# KiCad board AurisenseV2-rounded.kicad_pcb
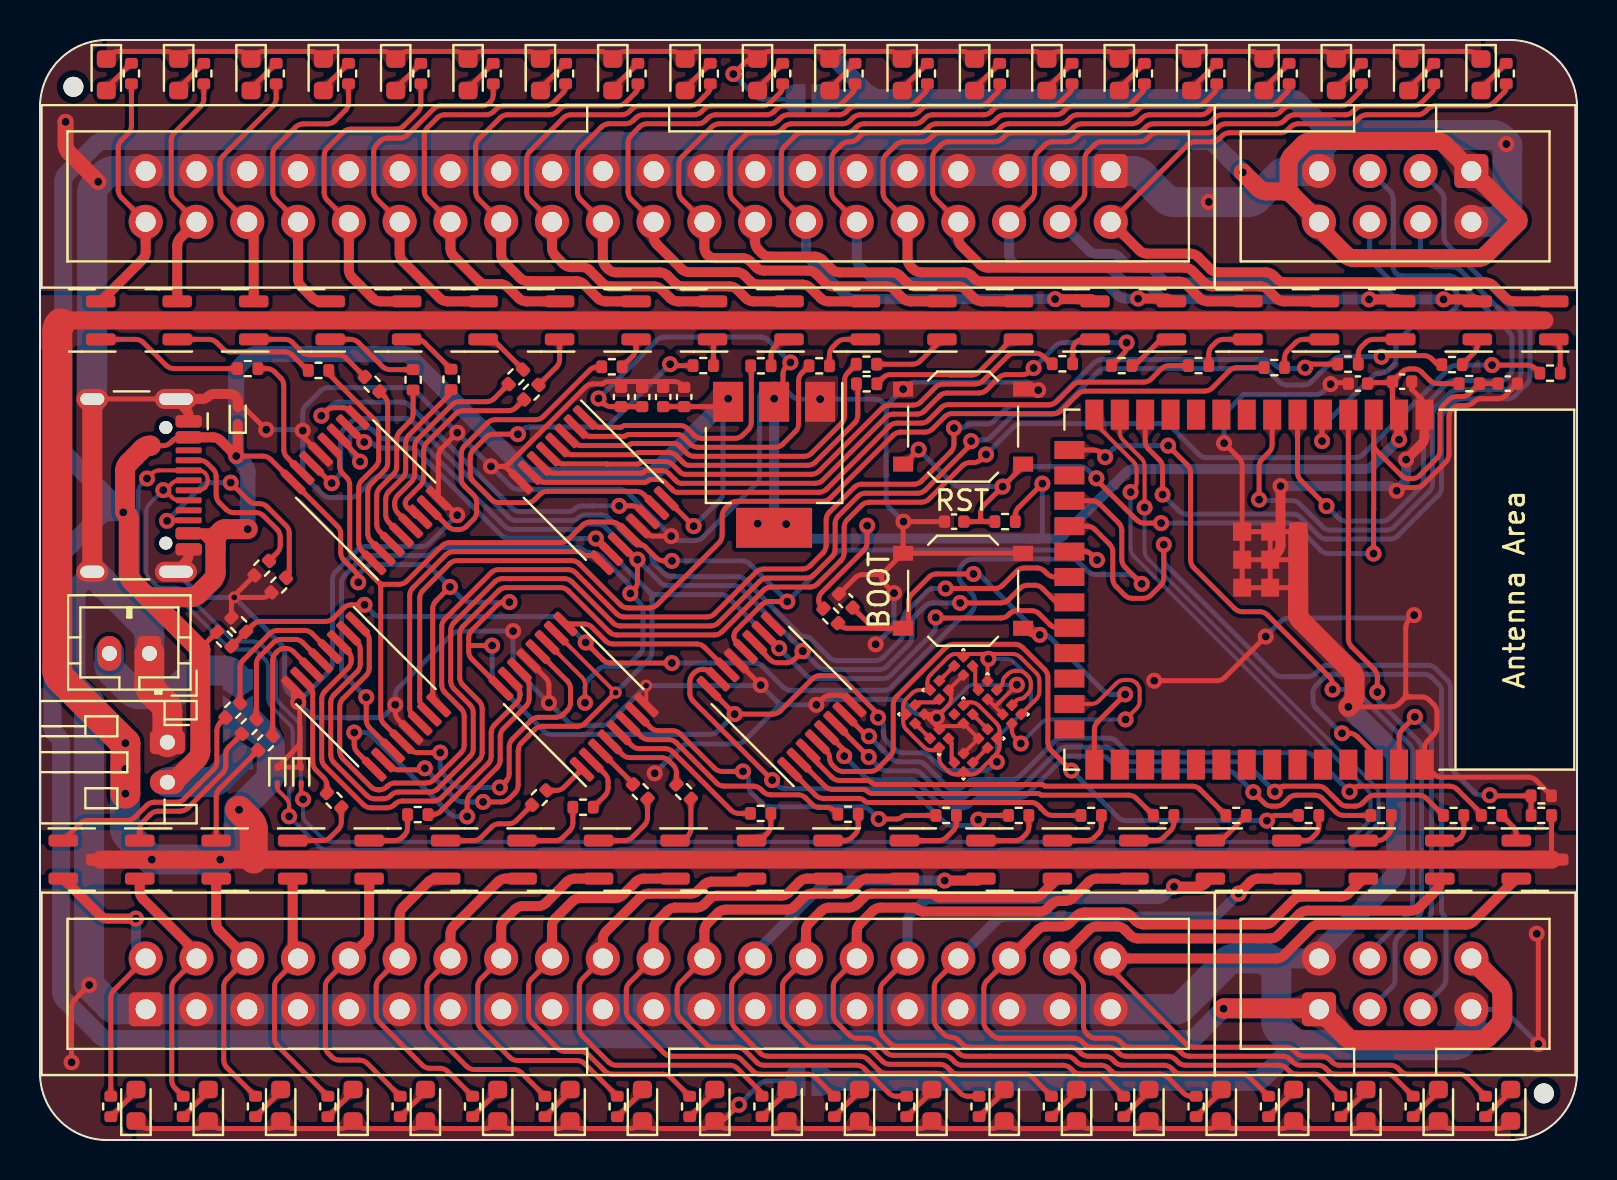
[diagram p0: board, top side]
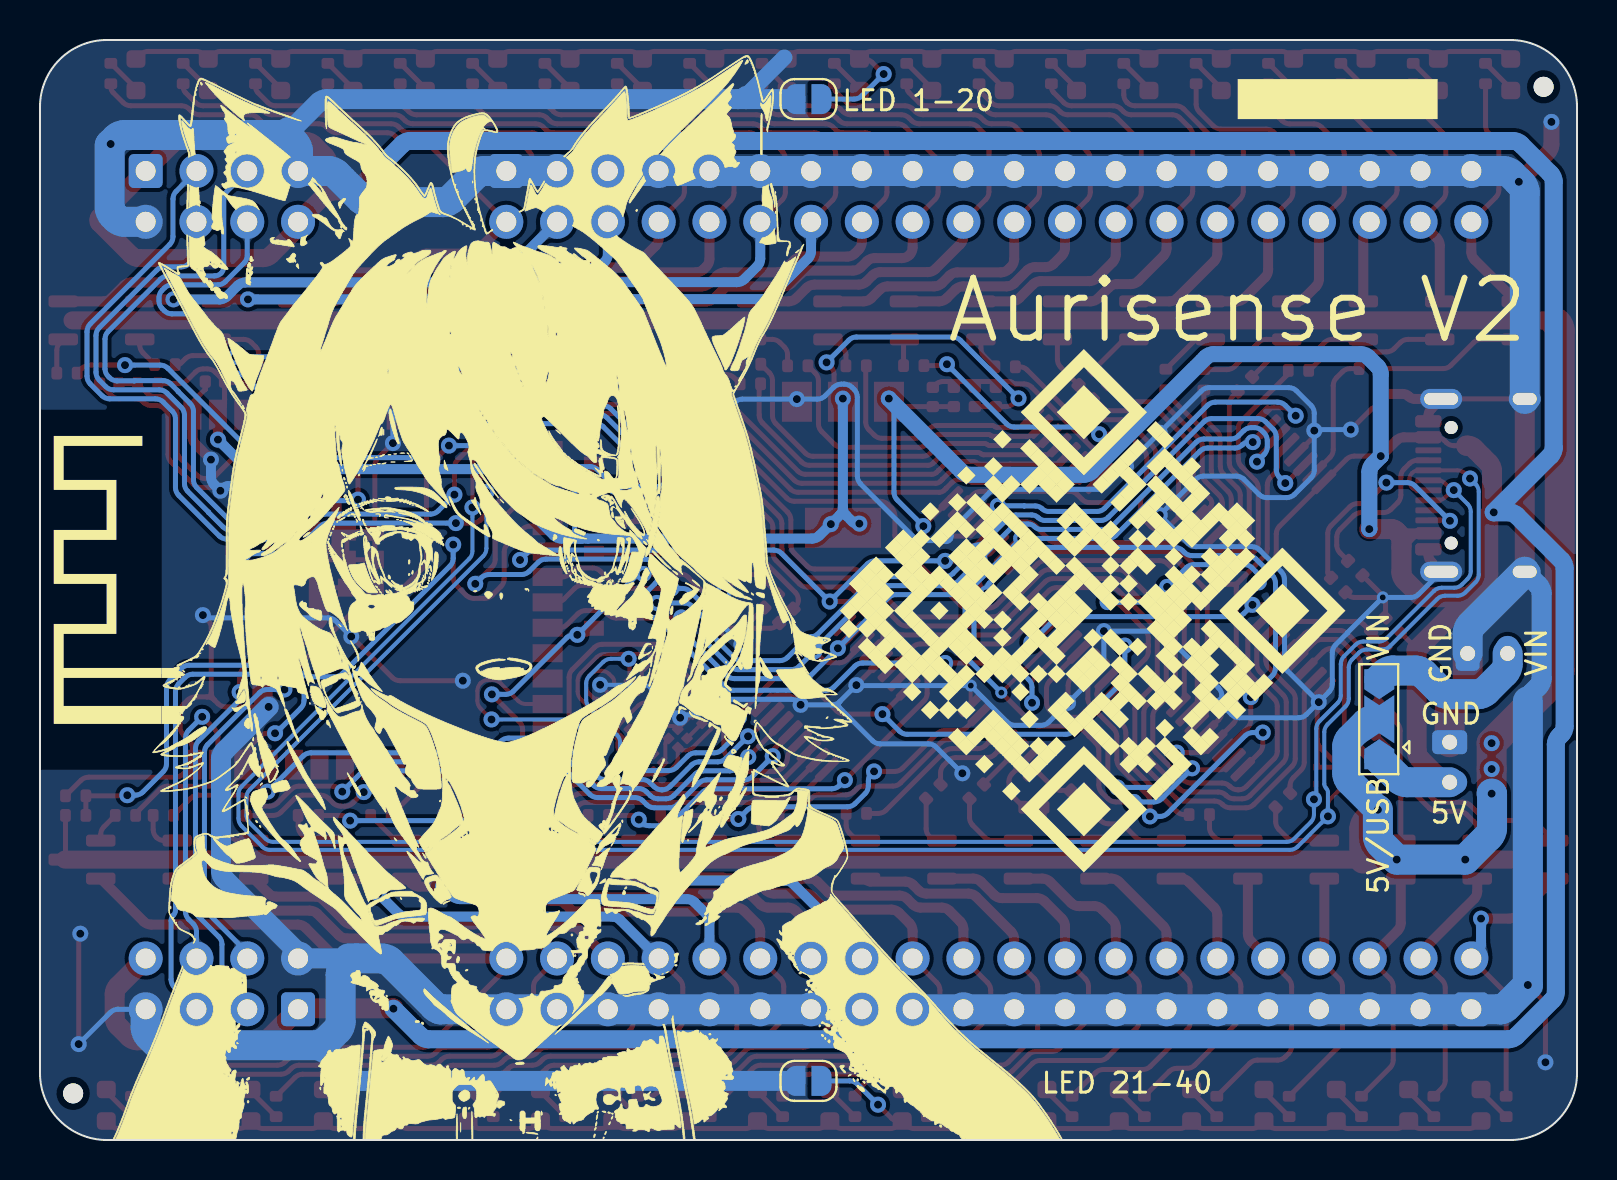
[diagram p1: board, bottom side, seen from below]

Outline 76.86 x 55 mm; copper layers: Top, Bottom. Coordinates in mm from the lower left corner of the outline.
Outline path: 0,51.66 arc(0.98,54.02) 3.34,55 73.52,55 arc(75.89,54.02) 76.86,51.66 76.86,3.34 arc(75.89,0.98) 73.52,0 3.34,0 arc(0.98,0.98) 0,3.34 0,51.66

## Placement (name value [footprint] x y rotation side)
C1  1µF  [C_0402_1005Metric]  73.4 37.82 0 top
C2  10µF  [C_0402_1005Metric]  31.16 37.15 90 top
C3  0.1µF  [C_0402_1005Metric]  32.22 37.15 90 top
C4  10µF  [C_0402_1005Metric]  29.06 37.15 90 top
C5  0.1µF  [C_0402_1005Metric]  30.11 37.15 90 top
C6  10µF  [C_0402_1005Metric]  68.12 37.92 180 top
C7  0.1µF  [C_0402_1005Metric]  65.91 37.82 0 top
C8  1µF  [C_0402_1005Metric]  45.71 30.92 180 top
C9  1µF  [C_0402_1005Metric]  40.3 26.96 135 top
D1  LED  [LED_0603_1608Metric]  3.32 53.26 270 top
D2  LED  [LED_0603_1608Metric]  6.93 53.26 270 top
D3  LED  [LED_0603_1608Metric]  10.55 53.26 270 top
D4  LED  [LED_0603_1608Metric]  14.17 53.26 270 top
D5  LED  [LED_0603_1608Metric]  17.79 53.26 270 top
D6  LED  [LED_0603_1608Metric]  21.41 53.26 270 top
D7  LED  [LED_0603_1608Metric]  25.03 53.26 270 top
D8  LED  [LED_0603_1608Metric]  28.64 53.26 270 top
D9  LED  [LED_0603_1608Metric]  32.26 53.26 270 top
D10  LED  [LED_0603_1608Metric]  35.88 53.26 270 top
D11  LED  [LED_0603_1608Metric]  39.5 53.26 270 top
D12  LED  [LED_0603_1608Metric]  43.12 53.26 270 top
D13  LED  [LED_0603_1608Metric]  46.74 53.26 270 top
D14  LED  [LED_0603_1608Metric]  50.35 53.26 270 top
D15  LED  [LED_0603_1608Metric]  53.97 53.26 270 top
D16  LED  [LED_0603_1608Metric]  57.59 53.26 270 top
D17  LED  [LED_0603_1608Metric]  61.21 53.26 270 top
D18  LED  [LED_0603_1608Metric]  64.83 53.26 270 top
D19  LED  [LED_0603_1608Metric]  68.45 53.26 270 top
D20  LED  [LED_0603_1608Metric]  72.06 53.26 270 top
D21  LED  [LED_0603_1608Metric]  4.8 1.74 90 top
D22  LED  [LED_0603_1608Metric]  8.42 1.74 90 top
D23  LED  [LED_0603_1608Metric]  12.04 1.74 90 top
D24  LED  [LED_0603_1608Metric]  15.65 1.74 90 top
D25  LED  [LED_0603_1608Metric]  19.27 1.74 90 top
D26  LED  [LED_0603_1608Metric]  22.89 1.74 90 top
D27  LED  [LED_0603_1608Metric]  26.51 1.74 90 top
D28  LED  [LED_0603_1608Metric]  30.13 1.74 90 top
D29  LED  [LED_0603_1608Metric]  33.75 1.74 90 top
D30  LED  [LED_0603_1608Metric]  37.36 1.74 90 top
D31  LED  [LED_0603_1608Metric]  40.98 1.74 90 top
D32  LED  [LED_0603_1608Metric]  44.6 1.74 90 top
D33  ESD9B3.3ST5G  [D_SOD-923]  9.89 36.22 90 top
D34  ESD9B3.3ST5G  [D_SOD-923]  13.06 18.22 270 top
D35  ESD9B3.3ST5G  [D_SOD-923]  11.86 18.22 270 top
D37  LED  [LED_0603_1608Metric]  48.22 1.74 90 top
D38  LED  [LED_0603_1608Metric]  51.84 1.74 90 top
D39  LED  [LED_0603_1608Metric]  55.46 1.74 90 top
D40  LED  [LED_0603_1608Metric]  59.07 1.74 90 top
D41  LED  [LED_0603_1608Metric]  62.69 1.74 90 top
D42  LED  [LED_0603_1608Metric]  66.31 1.74 90 top
D43  LED  [LED_0603_1608Metric]  69.93 1.74 90 top
D44  LED  [LED_0603_1608Metric]  73.55 1.74 90 top
J1  USB_C_Receptacle_USB2.0  [USB_C_Receptacle_HCTL_HC-TYPE-C-16P-01A]  4.12 32.73 270 top
J2  Conn_01x02_Socket  [JST_PH_B2B-PH-K_1x02_P2.00mm_Vertical]  5.47 24.33 180 top
J3  Conn_01x02_Socket  [JST_PH_S2B-PH-K_1x02_P2.00mm_Horizontal]  6.37 19.89 270 top
J4  Conn_01x40_Pin  [IDC-Header_2x20_P2.54mm_Vertical]  53.55 48.45 270 top
J5  Conn_01x40_Pin  [IDC-Header_2x20_P2.54mm_Vertical]  5.29 6.54 90 top
J6  Conn_01x08_Pin  [IDC-Header_2x04_P2.54mm_Vertical]  71.58 48.45 270 top
J7  Conn_01x08_Pin  [IDC-Header_2x04_P2.54mm_Vertical]  63.96 6.54 90 top
JP1  SolderJumper_3_Open  [SolderJumper-3_P2.0mm_Open_TrianglePad1.0x1.5mm]  9.89 21.04 90 bottom
JP2  SolderJumper_2_Open  [SolderJumper-2_P1.3mm_Open_RoundedPad1.0x1.5mm]  38.43 52.05 180 bottom
JP3  SolderJumper_2_Open  [SolderJumper-2_P1.3mm_Open_RoundedPad1.0x1.5mm]  38.43 2.95 180 bottom
Q1  AO3400A  [SOT-23]  2.1 40.98 180 top
Q2  AO3400A  [SOT-23]  5.93 40.98 180 top
Q3  AO3400A  [SOT-23]  9.75 40.98 180 top
Q4  AO3400A  [SOT-23]  13.57 40.98 180 top
Q5  AO3400A  [SOT-23]  17.4 40.98 180 top
Q6  AO3400A  [SOT-23]  21.22 40.98 180 top
Q7  AO3400A  [SOT-23]  25.05 40.98 180 top
Q8  AO3400A  [SOT-23]  28.87 40.98 180 top
Q9  AO3400A  [SOT-23]  32.7 40.98 180 top
Q10  AO3400A  [SOT-23]  36.52 40.98 180 top
Q11  AO3400A  [SOT-23]  40.34 40.98 180 top
Q12  AO3400A  [SOT-23]  44.17 40.98 180 top
Q13  AO3400A  [SOT-23]  47.99 40.98 180 top
Q14  AO3400A  [SOT-23]  51.82 40.98 180 top
Q15  AO3400A  [SOT-23]  55.64 40.98 180 top
Q16  AO3400A  [SOT-23]  59.47 40.98 180 top
Q17  AO3400A  [SOT-23]  63.29 40.98 180 top
Q18  AO3400A  [SOT-23]  67.11 40.98 180 top
Q19  AO3400A  [SOT-23]  70.94 40.98 180 top
Q20  AO3400A  [SOT-23]  74.76 40.98 180 top
Q21  AO3400A  [SOT-23]  2.1 14.02 0 top
Q22  AO3400A  [SOT-23]  5.93 14.02 0 top
Q23  AO3400A  [SOT-23]  9.75 14.02 0 top
Q24  AO3400A  [SOT-23]  13.57 14.02 0 top
Q25  AO3400A  [SOT-23]  17.4 14.02 0 top
Q26  AO3400A  [SOT-23]  21.22 14.02 0 top
Q27  AO3400A  [SOT-23]  25.05 14.02 0 top
Q28  AO3400A  [SOT-23]  28.87 14.02 0 top
Q29  AO3400A  [SOT-23]  32.7 14.02 0 top
Q30  AO3400A  [SOT-23]  36.52 14.02 0 top
Q31  AO3400A  [SOT-23]  40.34 14.02 0 top
Q32  AO3400A  [SOT-23]  44.17 14.02 0 top
Q33  AO3400A  [SOT-23]  47.99 14.02 0 top
Q34  AO3400A  [SOT-23]  51.82 14.02 0 top
Q35  AO3400A  [SOT-23]  55.64 14.02 0 top
Q36  AO3400A  [SOT-23]  59.47 14.02 0 top
Q37  AO3400A  [SOT-23]  63.29 14.02 0 top
Q38  AO3400A  [SOT-23]  67.11 14.02 0 top
Q39  AO3400A  [SOT-23]  70.94 14.02 0 top
Q40  AO3400A  [SOT-23]  74.76 14.02 0 top
R1  100ohm  [R_0402_1005Metric]  10.39 38.57 180 top
R2  2.2k  [R_0402_1005Metric]  4.57 53.32 90 top
R3  100ohm  [R_0402_1005Metric]  13.93 38.48 180 top
R4  2.2k  [R_0402_1005Metric]  8.19 53.32 90 top
R5  100ohm  [R_0402_1005Metric]  16.61 37.79 135 top
R6  2.2k  [R_0402_1005Metric]  11.81 53.32 90 top
R7  100ohm  [R_0402_1005Metric]  18.66 38.01 90 top
R8  2.2k  [R_0402_1005Metric]  15.43 53.32 90 top
R9  100ohm  [R_0402_1005Metric]  20.56 38.03 90 top
R10  2.2k  [R_0402_1005Metric]  19.05 53.32 90 top
R11  100ohm  [R_0402_1005Metric]  23.8 38.16 45 top
R12  2.2k  [R_0402_1005Metric]  22.67 53.32 90 top
R13  100ohm  [R_0402_1005Metric]  24.57 37.39 45 top
R14  2.2k  [R_0402_1005Metric]  26.28 53.32 90 top
R15  100ohm  [R_0402_1005Metric]  28.6 38.66 0 top
R16  2.2k  [R_0402_1005Metric]  29.9 53.32 90 top
R17  100ohm  [R_0402_1005Metric]  33.17 38.72 0 top
R18  2.2k  [R_0402_1005Metric]  33.52 53.32 90 top
R19  100ohm  [R_0402_1005Metric]  36.05 38.71 0 top
R20  2.2k  [R_0402_1005Metric]  37.14 53.32 90 top
R21  100ohm  [R_0402_1005Metric]  38.97 38.71 0 top
R22  2.2k  [R_0402_1005Metric]  40.76 53.32 90 top
R23  100ohm  [R_0402_1005Metric]  41.33 38.79 0 top
R24  2.2k  [R_0402_1005Metric]  44.38 53.32 90 top
R25  100ohm  [R_0402_1005Metric]  41.34 37.81 0 top
R26  2.2k  [R_0402_1005Metric]  47.99 53.32 90 top
R27  100ohm  [R_0402_1005Metric]  51.13 38.81 0 top
R28  2.2k  [R_0402_1005Metric]  51.61 53.32 90 top
R29  100ohm  [R_0402_1005Metric]  54.09 38.72 0 top
R30  2.2k  [R_0402_1005Metric]  55.23 53.32 90 top
R31  100ohm  [R_0402_1005Metric]  57.94 38.72 0 top
R32  2.2k  [R_0402_1005Metric]  58.85 53.32 90 top
R33  100ohm  [R_0402_1005Metric]  61.73 38.62 0 top
R34  2.2k  [R_0402_1005Metric]  62.47 53.32 90 top
R35  100ohm  [R_0402_1005Metric]  65.41 38.79 0 top
R36  2.2k  [R_0402_1005Metric]  66.09 53.32 90 top
R37  100ohm  [R_0402_1005Metric]  70.61 38.77 0 top
R38  2.2k  [R_0402_1005Metric]  69.7 53.32 90 top
R39  100ohm  [R_0402_1005Metric]  75.51 38.34 0 top
R40  2.2k  [R_0402_1005Metric]  73.32 53.32 90 top
R41  100ohm  [R_0402_1005Metric]  9.64 21.49 225 top
R42  2.2k  [R_0402_1005Metric]  3.54 1.68 270 top
R43  100ohm  [R_0402_1005Metric]  10.46 20.67 225 top
R44  2.2k  [R_0402_1005Metric]  7.16 1.68 270 top
R45  100ohm  [R_0402_1005Metric]  11.28 19.85 225 top
R46  2.2k  [R_0402_1005Metric]  10.78 1.68 270 top
R47  100ohm  [R_0402_1005Metric]  14.71 16.99 315 top
R48  2.2k  [R_0402_1005Metric]  14.4 1.68 270 top
R49  100ohm  [R_0402_1005Metric]  18.89 16.27 180 top
R50  2.2k  [R_0402_1005Metric]  18.01 1.68 270 top
R51  100ohm  [R_0402_1005Metric]  24.97 17.12 225 top
R52  2.2k  [R_0402_1005Metric]  21.63 1.68 270 top
R53  100ohm  [R_0402_1005Metric]  27.16 16.64 180 top
R54  2.2k  [R_0402_1005Metric]  25.25 1.68 270 top
R55  100ohm  [R_0402_1005Metric]  30.02 17.42 315 top
R56  2.2k  [R_0402_1005Metric]  28.87 1.68 270 top
R57  100ohm  [R_0402_1005Metric]  32.19 17.42 315 top
R58  10k  [R_0402_1005Metric]  71.48 37.82 0 top
R59  2.2k  [R_0402_1005Metric]  32.49 1.68 270 top
R60  100ohm  [R_0402_1005Metric]  36.04 16.33 0 top
R61  2.2k  [R_0402_1005Metric]  36.11 1.68 270 top
R62  100ohm  [R_0402_1005Metric]  40.41 16.29 0 top
R63  2.2k  [R_0402_1005Metric]  39.73 1.68 270 top
R64  100ohm  [R_0402_1005Metric]  45.32 16.23 0 top
R65  2.2k  [R_0402_1005Metric]  43.34 1.68 270 top
R66  5.1k  [R_0402_1005Metric]  11.09 28.59 45 top
R67  5.1k  [R_0402_1005Metric]  11.94 27.74 45 top
R68  10k  [R_0402_1005Metric]  48.26 30.92 180 top
R69  10k  [R_0402_1005Metric]  39.54 26.21 315 top
R70  100ohm  [R_0402_1005Metric]  48.94 16.23 0 top
R71  100ohm  [R_0402_1005Metric]  52.57 16.23 0 top
R72  100ohm  [R_0402_1005Metric]  56.19 16.23 0 top
R73  100ohm  [R_0402_1005Metric]  59.82 16.23 0 top
R74  100ohm  [R_0402_1005Metric]  63.44 16.23 0 top
R75  100ohm  [R_0402_1005Metric]  67.07 16.23 0 top
R76  100ohm  [R_0402_1005Metric]  70.69 16.23 0 top
R77  100ohm  [R_0402_1005Metric]  72.59 16.23 0 top
R78  2.2k  [R_0402_1005Metric]  46.96 1.68 270 top
R79  2.2k  [R_0402_1005Metric]  50.58 1.68 270 top
R80  2.2k  [R_0402_1005Metric]  54.2 1.68 270 top
R81  2.2k  [R_0402_1005Metric]  57.82 1.68 270 top
R82  2.2k  [R_0402_1005Metric]  61.44 1.68 270 top
R83  2.2k  [R_0402_1005Metric]  65.05 1.68 270 top
R84  2.2k  [R_0402_1005Metric]  68.67 1.68 270 top
R85  2.2k  [R_0402_1005Metric]  72.29 1.68 270 top
R86  47k  [R_0402_1005Metric]  9.22 25.05 135 top
R87  47k  [R_0402_1005Metric]  9.94 25.77 135 top
R88  220k  [R_0402_1005Metric]  75.08 16.23 0 top
R89  22k  [R_0402_1005Metric]  75.08 17.21 0 top
REF**  -  [MountingHole_2.1mm]  1.67 52.66 0 top
REF**#2  -  [MountingHole_2.1mm]  75.21 2.33 0 top
SW1  TS-1187A-B-A-B  [SW_Push_1P1T_XKB_TS-1187A]  46.16 35.67 0 top
SW2  TS-1187A-B-A-B  [SW_Push_1P1T_XKB_TS-1187A]  46.16 27.46 0 top
U1  -  [ESP32-S3-WROOM-1]  60.98 27.52 270 top
U2  74HCT595  [TSSOP-16_4.4x5mm_P0.65mm]  16.29 32.49 135 top
U3  AMS1117-3.3  [SOT-223-3_TabPin2]  36.71 33.76 270 top
U4  74HCT595  [TSSOP-16_4.4x5mm_P0.65mm]  37.08 22.17 135 top
U5  -  [XL-1010RGBC-WS2812B]  48.6 21.28 315 top
U6  74HCT595  [TSSOP-16_4.4x5mm_P0.65mm]  27.68 32.49 315 top
U7  -  [XL-1010RGBC-WS2812B]  47.39 22.5 45 top
U8  -  [XL-1010RGBC-WS2812B]  46.18 23.71 45 top
U9  74HCT595  [TSSOP-16_4.4x5mm_P0.65mm]  16.3 22.17 315 top
U10  -  [XL-1010RGBC-WS2812B]  44.97 22.5 135 top
U11  74HCT595  [TSSOP-16_4.4x5mm_P0.65mm]  26.69 22.17 135 top
U12  -  [XL-1010RGBC-WS2812B]  43.76 21.29 135 top
U13  -  [XL-1010RGBC-WS2812B]  44.97 20.08 225 top
U14  -  [XL-1010RGBC-WS2812B]  46.18 18.87 225 top
U15  -  [XL-1010RGBC-WS2812B]  47.39 20.08 315 top
U16  -  [XL-1010RGBC-WS2812B]  46.18 21.29 45 top

## Library data of the parts
C1-C9 = -: Description: Unpolarized capacitor
D1-D32 D37-D44 = -: Description: Light emitting diode
D33-D35 = -: Description: ESD protection diode, 3.3Vrwm, SOD-923
J1 = -: Description: USB 2.0-only Type-C Receptacle connector
J2 J3 = -: Description: Generic connector, single row, 01x02, script generated
J4 J5 = -: Description: Generic connector, single row, 01x40, script generated
J6 J7 = -: Description: Generic connector, single row, 01x08, script generated
JP1 = -: Description: Solder Jumper, 3-pole, open
JP2 JP3 = -: Description: Solder Jumper, 2-pole, open
Q1-Q40 = -: Description: 30V Vds, 5.7A Id, N-Channel MOSFET, SOT-23
R1-R89 = -: Description: Resistor
SW1 SW2 = -: Description: Single Pole Single Throw (SPST) switch
U1 = -: Description: 2.4 GHz WiFi (802.11 b/g/n) and Bluetooth ® 5 (LE) module Built around ESP32S3 series of SoCs, Xtensa ® dualcore 32bit LX7 microprocessor Flash up to 16 MB, PSRAM up to 8 MB 36 GPIOs, rich set of peripherals Onboard PCB antenna
U2 U4 U6 U9 U11 = -: Description: 8-bit serial in/out Shift Register 3-State Outputs
U3 = -: Description: 1A Low Dropout regulator, positive, 3.3V fixed output, SOT-223

## Footprints (pads in the part's own frame, mm; a bottom-side part is the same pattern mirrored in y, then rotated)
C_0402_1005Metric
  rrect 0.56x0.62 smd: 1(-0.48,0) 2(0.48,0)
D_SOD-923
  rrect 0.36x0.25 smd: 1(-0.42,0) 2(0.42,0)
ESP32-S3-WROOM-1
  rect 1.5x0.9 smd: 1(-8.75,8.26) 2(-8.75,6.99) 3(-8.75,5.72) 4(-8.75,4.45) 5(-8.75,3.18) 6(-8.75,1.91) 7(-8.75,0.64) 8(-8.75,-0.63) 9(-8.75,-1.9) 10(-8.75,-3.17) 11(-8.75,-4.44) 12(-8.75,-5.71) 13(-8.75,-6.98) 14(-8.75,-8.25) 27(8.75,-8.25) 28(8.75,-6.98) 29(8.75,-5.71) 30(8.75,-4.44) 31(8.75,-3.17) 32(8.75,-1.9) 33(8.75,-0.63) 34(8.75,0.64) 35(8.75,1.91) 36(8.75,3.18) 37(8.75,4.45) 38(8.75,5.72) 39(8.75,6.99) 40(8.75,8.26)
  rect 0.9x1.5 smd: 15(-6.985,-9.5) 16(-5.715,-9.5) 17(-4.445,-9.5) 18(-3.175,-9.5) 19(-1.905,-9.5) 20(-0.635,-9.5) 21(0.635,-9.5) 22(1.905,-9.5) 23(3.175,-9.5) 24(4.445,-9.5) 25(5.715,-9.5) 26(6.985,-9.5)
  rect 0.9x0.9 smd: 41(-2.9,1.94) 41(-2.9,0.54) 41(-2.9,-0.86) 41(-2.9,-0.86) 41(-1.5,1.94) 41(-1.5,1.94) 41(-1.5,0.54) 41(-1.5,-0.86) 41(-0.1,1.94) 41(-0.1,0.54) 41(-0.1,-0.86)
IDC-Header_2x04_P2.54mm_Vertical
  rrect 1.7x1.7 hole 1: 1(0,0)
  round 1.7 hole 1: 2(2.54,0) 3(0,-2.54) 4(2.54,-2.54) 5(0,-5.08) 6(2.54,-5.08) 7(0,-7.62) 8(2.54,-7.62)
IDC-Header_2x20_P2.54mm_Vertical
  rrect 1.7x1.7 hole 1: 1(0,0)
  round 1.7 hole 1: 2(2.54,0) 3(0,-2.54) 4(2.54,-2.54) 5(0,-5.08) 6(2.54,-5.08) 7(0,-7.62) 8(2.54,-7.62) 9(0,-10.16) 10(2.54,-10.16) 11(0,-12.7) 12(2.54,-12.7) 13(0,-15.24) 14(2.54,-15.24) 15(0,-17.78) 16(2.54,-17.78) 17(0,-20.32) 18(2.54,-20.32) 19(0,-22.86) 20(2.54,-22.86) 21(0,-25.4) 22(2.54,-25.4) 23(0,-27.94) 24(2.54,-27.94) 25(0,-30.48) 26(2.54,-30.48) 27(0,-33.02) 28(2.54,-33.02) 29(0,-35.56) 30(2.54,-35.56) 31(0,-38.1) 32(2.54,-38.1) 33(0,-40.64) 34(2.54,-40.64) 35(0,-43.18) 36(2.54,-43.18) 37(0,-45.72) 38(2.54,-45.72) 39(0,-48.26) 40(2.54,-48.26)
JST_PH_B2B-PH-K_1x02_P2.00mm_Vertical
  rrect 1.2x1.75 hole 0.75: 1(0,0)
  oval 1.2x1.75 hole 0.75: 2(2,0)
JST_PH_S2B-PH-K_1x02_P2.00mm_Horizontal
  rrect 1.2x1.75 hole 0.75: 1(0,0)
  oval 1.2x1.75 hole 0.75: 2(2,0)
LED_0603_1608Metric
  rrect 0.875x0.95 smd: 1(-0.787,0) 2(0.787,0)
MountingHole_2.1mm
  round 1 hole 1.152 unplated: (0,0)
R_0402_1005Metric
  rrect 0.54x0.64 smd: 1(-0.51,0) 2(0.51,0)
SolderJumper-2_P1.3mm_Open_RoundedPad1.0x1.5mm
  custom 1x1.5 smd: 1(-0.65,0) 2(0.65,0)
SolderJumper-3_P2.0mm_Open_TrianglePad1.0x1.5mm
  rect 1.5x1.5 smd: (-1.2,0) (1.2,0)
  custom 1.5x1.5 smd: 1(-2,0) 3(2,0)
  custom 2.4x1.5 smd: 2(0,0)
SOT-23
  rrect 1.475x0.6 smd: 1(-0.938,0.95) 2(-0.938,-0.95) 3(0.938,0)
SOT-223-3_TabPin2
  rect 2x1.5 smd: 1(-3.15,2.3) 2(-3.15,0) 3(-3.15,-2.3)
  rect 2x3.8 smd: 2(3.15,0)
SW_Push_1P1T_XKB_TS-1187A
  rect 1x0.75 smd: 1(-3,1.875) 1(3,1.875) 2(-3,-1.875) 2(3,-1.875)
TSSOP-16_4.4x5mm_P0.65mm
  rrect 1.475x0.4 smd: 1(-2.862,2.275) 2(-2.862,1.625) 3(-2.862,0.975) 4(-2.862,0.325) 5(-2.862,-0.325) 6(-2.862,-0.975) 7(-2.862,-1.625) 8(-2.862,-2.275) 9(2.862,-2.275) 10(2.862,-1.625) 11(2.862,-0.975) 12(2.862,-0.325) 13(2.862,0.325) 14(2.862,0.975) 15(2.862,1.625) 16(2.862,2.275)
USB_C_Receptacle_HCTL_HC-TYPE-C-16P-01A
  round 0.65 hole 0.65 unplated: (-2.89,2.17) (2.89,2.17)
  rrect 0.6x1.3 smd: A1(-3.2,3.31) A4(-2.4,3.31) A9(2.4,3.31) A12(3.2,3.31) B1(3.2,3.31) B4(2.4,3.31) B9(-2.4,3.31) B12(-3.2,3.31)
  rrect 0.3x1.3 smd: A5(-1.25,3.31) A6(-0.25,3.31) A7(0.25,3.31) A8(1.25,3.31) B5(1.75,3.31) B6(0.75,3.31) B7(-0.75,3.31) B8(-1.75,3.31)
  oval 1x2.1 hole 0.6x1.7: S1(-4.32,2.67) S1(4.32,2.67)
  oval 1x1.6 hole 0.6x1.2: S1(-4.32,-1.51) S1(4.32,-1.51)
XL-1010RGBC-WS2812B
  rrect 0.45x0.45 smd: 1(-0.325,0.325) 2(0.325,0.325) 3(-0.325,-0.325) 4(0.325,-0.325)

## Nets
5V Monitoring: R86.1 R87.1 U1.17
+3V3: C4.1 C5.1 C6.2 C7.2 R58.1 R68.1 R69.1 U1.2 U3.2
+5V: C2.1 C3.1 D33.1 J1.A4 J1.A9 J1.B4 J1.B9 J3.2 J6.1 J6.8 J7.1 J7.8 JP1.1 R86.2 U2.16 U3.3 U4.16 U5.2 U6.16 U7.2 U8.2 U9.16 U10.2 U11.16 U12.2 U13.2 U14.2 U15.2 U16.2
GND: C1.2 C2.2 C3.2 C4.2 C5.2 C6.1 C7.1 C8.2 C9.2 D33.2 D34.1 D35.1 J1.A1 J1.A12 J1.B1 J1.B12 J1.S1 J2.1 J3.1 J4.1 J4.3 J4.5 J4.7 J4.9 J4.11 J4.13 J4.15 J4.17 J4.19 J4.21 J4.23 J4.25 J4.27 J4.29 J4.31 J4.33 J4.35 J4.37 J4.39 J5.1 J5.3 J5.5 J5.7 J5.9 J5.11 J5.13 J5.15 J5.17 J5.19 J5.21 J5.23 J5.25 J5.27 J5.29 J5.31 J5.33 J5.35 J5.37 J5.39 J6.2 J6.7 J7.2 J7.7 JP2.1 JP3.1 R66.1 R67.1 R87.2 R89.2 SW1.1 SW2.1 U1.1 U1.40 U1.41 U2.8 U2.13 U3.1 U4.8 U4.13 U5.3 U6.8 U6.13 U7.3 U8.3 U9.8 U9.13 U10.3 U11.8 U11.13 U12.3 U13.3 U14.3 U15.3 U16.3
VIN Monitoring: R88.1 R89.1 U1.18
Chip_PU: C1.1 C8.1 R58.2 R68.2 SW1.2 U1.3
D+: D34.2 J1.A6 J1.B6 U1.14
D-: D35.2 J1.A7 J1.B7 U1.13
Extension shift register output: U4.9
GPIO 0: C9.1 R69.2 SW2.2 U1.27
latch pin: U1.19 U2.12 U4.12 U6.12 U9.12 U11.12
LED 1-20: D1.1 D2.1 D3.1 D4.1 D5.1 D6.1 D7.1 D8.1 D9.1 D10.1 D11.1 D12.1 D13.1 D14.1 D15.1 D16.1 D17.1 D18.1 D19.1 D20.1 JP2.2
LED 21-40: D21.1 D22.1 D23.1 D24.1 D25.1 D26.1 D27.1 D28.1 D29.1 D30.1 D31.1 D32.1 D37.1 D38.1 D39.1 D40.1 D41.1 D42.1 D43.1 D44.1 JP3.2
LED Input: U1.25 U5.4
master reclear: U1.22 U2.10 U4.10 U6.10 U9.10 U11.10
MISO - A: J7.4 U1.15
MISO - B: J6.4 U1.7
MOSI - A: J7.5 U1.38
MOSI - B: J6.5 U1.6
motor 1 anode: J4.40 Q1.2 R2.1
motor 2 anode: J4.38 Q2.2 R4.1
motor 3 anode: J4.36 Q3.2 R6.1
motor 4 anode: J4.34 Q4.2 R8.1
motor 5 anode: J4.32 Q5.2 R10.1
motor 6 anode: J4.30 Q6.2 R12.1
motor 7 anode: J4.28 Q7.2 R14.1
motor 8 anode: J4.26 Q8.2 R16.1
motor 9 anode: J4.24 Q9.2 R18.1
motor 10 anode: J4.22 Q10.2 R20.1
motor 11 anode: J4.20 Q11.2 R22.1
motor 12 anode: J4.18 Q12.2 R24.1
motor 13 anode: J4.16 Q13.2 R26.1
motor 14 anode: J4.14 Q14.2 R28.1
motor 15 anode: J4.12 Q15.2 R30.1
motor 16 anode: J4.10 Q16.2 R32.1
motor 17 anode: J4.8 Q17.2 R34.1
motor 18 anode: J4.6 Q18.2 R36.1
motor 19 anode: J4.4 Q19.2 R38.1
motor 20 anode: J4.2 Q20.2 R40.1
motor 21 anode: J5.2 Q21.2 R42.1
motor 22 anode: J5.4 Q22.2 R44.1
motor 23 anode: J5.6 Q23.2 R46.1
motor 24 anode: J5.8 Q24.2 R48.1
motor 25 anode: J5.10 Q25.2 R50.1
motor 26 anode: J5.12 Q26.2 R52.1
motor 27 anode: J5.14 Q27.2 R54.1
motor 28 anode: J5.16 Q28.2 R56.1
motor 29 anode: J5.18 Q29.2 R59.1
motor 30 anode: J5.20 Q30.2 R61.1
motor 31 anode: J5.22 Q31.2 R63.1
motor 32 anode: J5.24 Q32.2 R65.1
motor 33 anode: J5.26 Q33.2 R78.1
motor 34 anode: J5.28 Q34.2 R79.1
motor 35 anode: J5.30 Q35.2 R80.1
motor 36 anode: J5.32 Q36.2 R81.1
motor 37 anode: J5.34 Q37.2 R82.1
motor 38 anode: J5.36 Q38.2 R83.1
motor 39 anode: J5.38 Q39.2 R84.1
motor 40 anode: J5.40 Q40.2 R85.1
Motor Voltage Input: J2.2 JP1.3
Power draw resistor A: J1.A5 R66.2
Power draw resistor B: J1.B5 R67.2
register1 to register2: U2.9 U6.14
register2 to register3: U6.9 U9.14
register3 to register4: U9.9 U11.14
register4 to register5: U4.14 U11.9
SCLK - A: J7.6 U1.39
SCLK - B: J6.6 U1.5
shift out serial: U1.20 U2.14
SPI clock pin: U1.21 U2.11 U4.11 U6.11 U9.11 U11.11
SS - A: J7.3 U1.4
SS - B: J6.3 U1.12